# Altium PCB Board.PcbDoc (part 3 of 3)
Units mil, origin at the board's own origin, x right, y up, seen from the top; angles counter-clockwise.
Board outline 8590 x 4645 mil, 4 copper layers (Top Layer, Layer 1, Layer 2, Bottom Layer), stack 23.756 mil thick; 245 components, 130 nets, 802 pads, 765 vias.
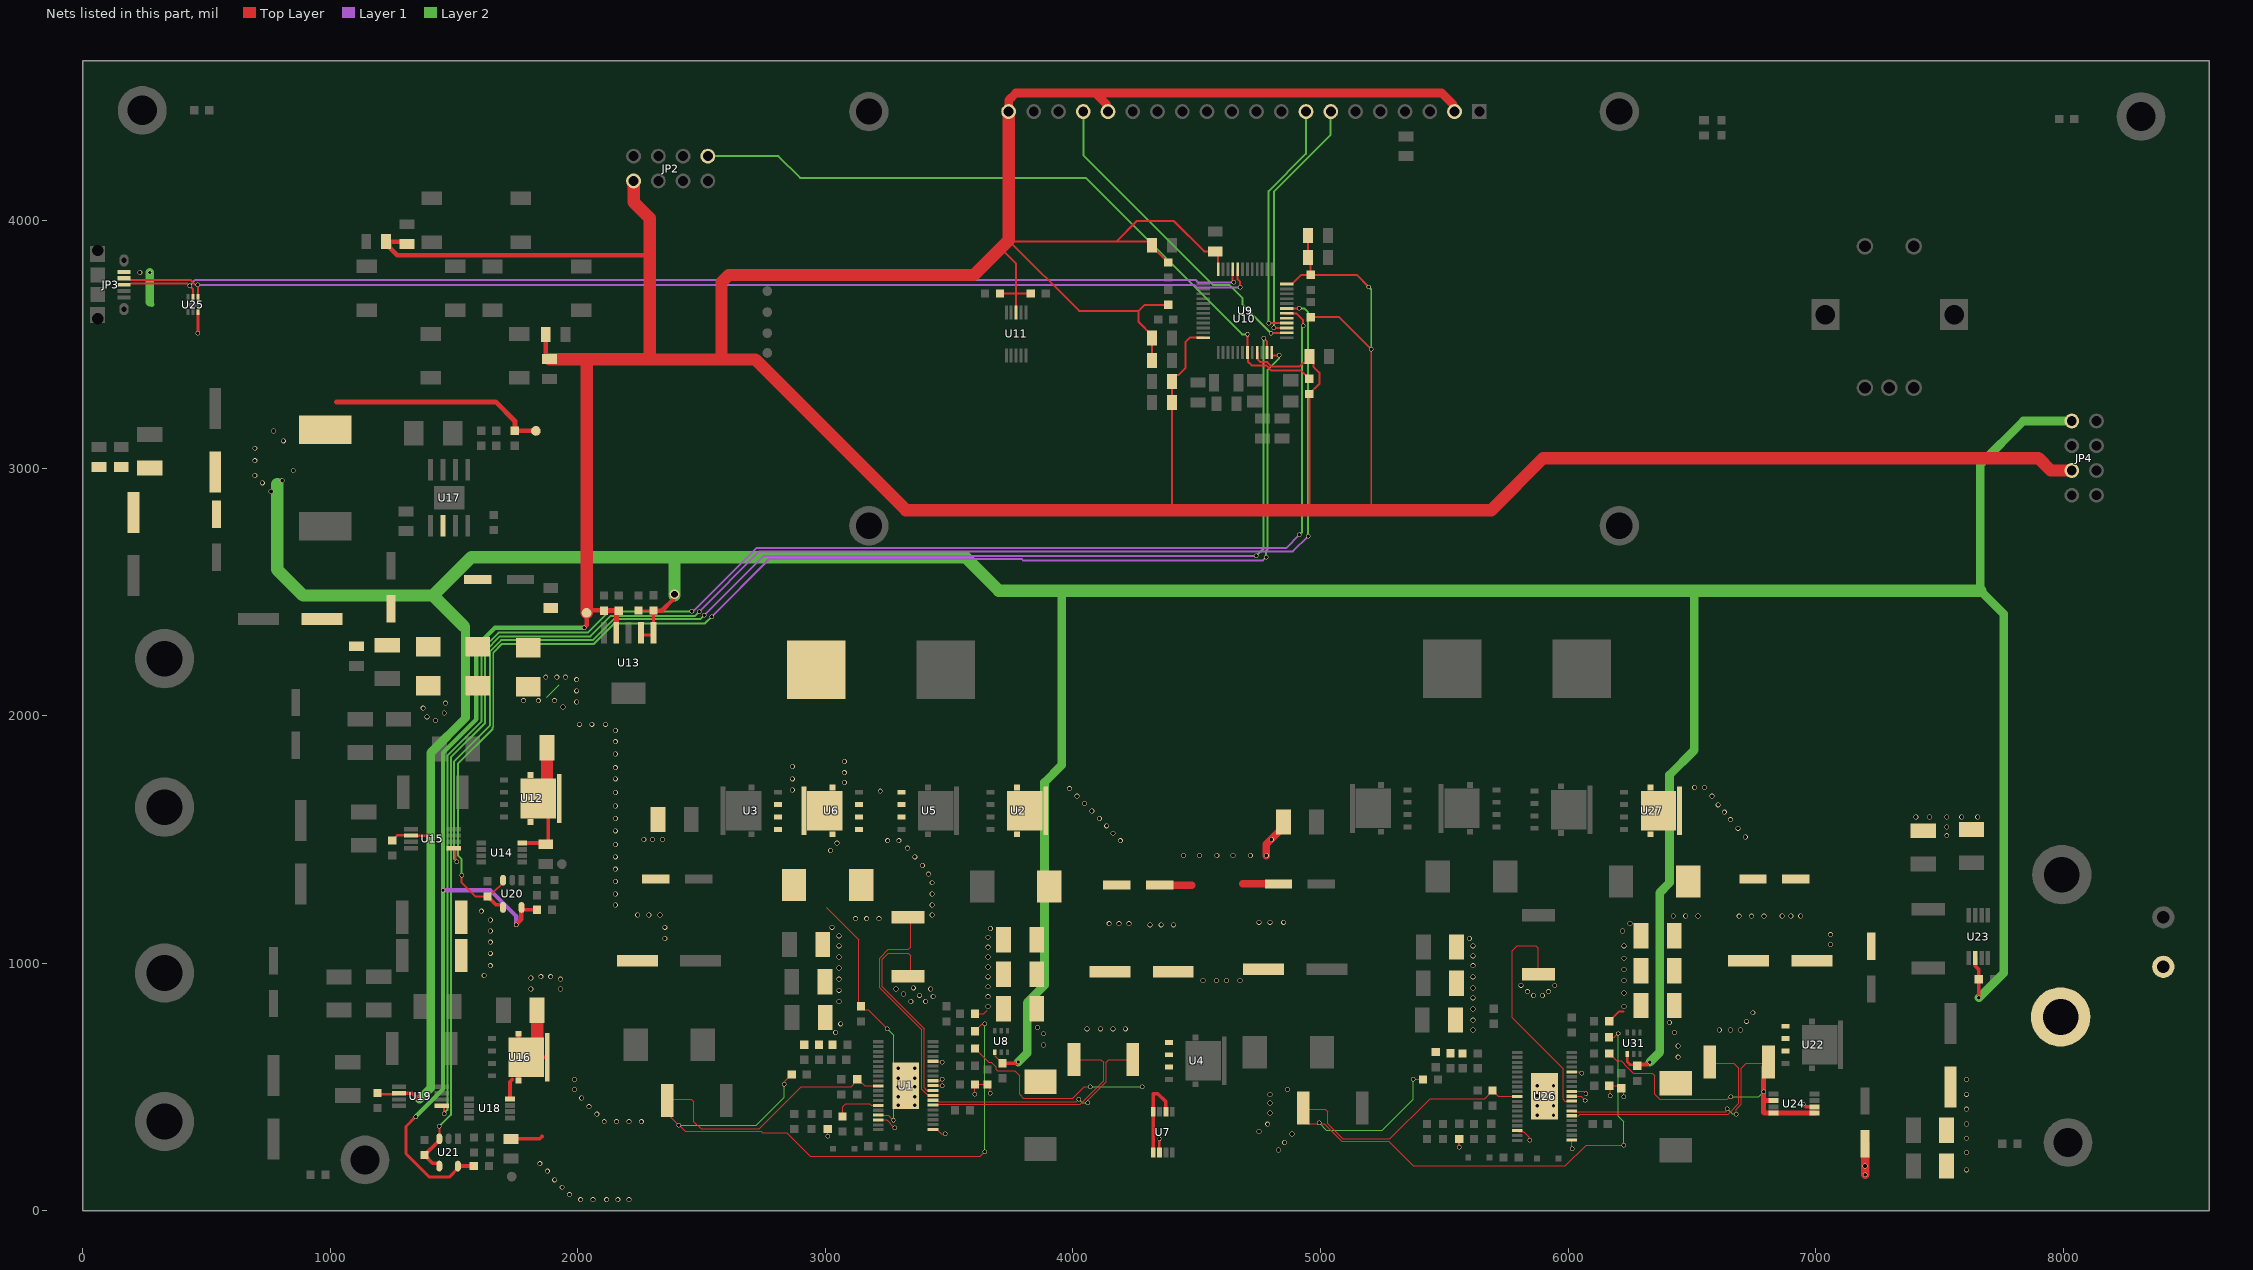
[diagram p5: the nets of this part, all layers, seen from the top]

## Via types
v1: diameter 20, hole 15, Top Layer to Bottom Layer, 502 vias
v2: diameter 18, hole 14, Top Layer to Bottom Layer, 262 vias
v3: diameter 40, hole 28, Top Layer to Bottom Layer, 1 vias

## Nets (pads, with @x,y where several pads share a name; then routed paths per layer and width w, separated by ;. In a path a pad name is that pad's centre, name@x,y a point inside that pad or via, vN(x,y) a via of type N, cw(c..) or ccw(c..) an arc to the next point about the centre after c; other vN are vias at no path point) (continued)
PGND: C1.1 C2.2 C3.2 C4.2 C5.2 C6.2 C7.2 C11.1 C12.2 C13.2 C14.2 C15.2 C16.2 C17.2 C19.2 C72.2 C73.2 C74.1 C75.2 C76.2 C77.2 C78.2 C80.2 C81.2 C82.2 C83.2 C84.2 C85.1 C86.2 C90.1 C91.2 C92.2 C93.2 C94.2 C95.2 C96.2 C98.2 JP13.1 JP14.1 R2.1 R4.1 R9.1 R14.1 R41.2 R42.2 R57.1 R58.1 R60.1 R67.1 U1.17 U1.20 U1.28 U1.29 U1.30 U1.34 U7.6 U24.6 U26.17 U26.20 U26.28 U26.29 U26.30 U26.34 | length 3555.1
  Top Layer w5: v2(3008.86,300.99) C7.2@3008.86,329.49 ; U1.17@3213.62,366.39 3247.47,366.39 3278.86,335 v2(3280,335) ; U1.30@3323.86,505 3323.86,460 3353.86,430 U1.30@3360,430 ; R9.1@3333.86,946.81 3343.86,956.81 3343.86,1030 3333.86,1040 3253.86,1040 3228.86,1015 3228.86,905 3398.86,735 3398.86,495.83 3407.87,486.82 3432.59,486.82 U1.28@3434.09,485.32 ; U1.20@3434.09,327.83 3449.45,327.83 3467.28,310 v2(3483.86,310) ; U1.29@3434.09,505 3434.46,504.64 3472,504.64 v2(3472.36,504.28) ; U1.30@3434.09,524.69 3463.53,524.69 3468.84,530 v2(3472.36,530) ; U1.34@3434.09,603.43 3435.81,601.71 3470.65,601.71 v2(3472.36,600) ; v2(3603.86,470) 3603.86,509.49 R14.1@3604.37,510 3658.35,510 C19.2@3658.86,509.49 ; R4.1@3604.37,795 3638.86,795 3653.86,810 ; C19.2@3655,509.49 C19.2@3656.5,507.99 ; C19.2@3656.5,505 C19.2@3656.5,507.99 ; v2(3665,475) 3665,499.49 C19.2@3656.5,507.99 ; U7.6@4348.86,234.65 U7.6@4349.45,235.24 ; U26.17@5795,323.46 5798.8,319.67 5820.33,319.67 5843.33,296.67 5843.33,286.67 v2(5845,285) ; R60.1@5880,955 5880,1060 5870,1070 5795,1070 5775,1050 5775,779.14 5980,574.14 5980,449.14 5986.75,442.39 U26.28@6015.47,442.39 ; U26.20@6015.47,284.91 6015.47,250.43 v2(6016.28,249.62) ; U26.29@6015.47,462.08 6052.92,462.08 v2(6070,445) ; U26.30@6015.47,481.76 6062.45,481.76 v2(6072.45,471.76) ; U26.34@6015.47,560.5 6045.98,560.5 6051.48,555 v2(6055,555) ; v2(6170,465) 6170,501.54 R67.1@6166.54,505 6208.98,505 C98.2@6220,493.98 ; C98.2@6215,494.49 6225,484.49 v2(6225,460)
  Top Layer w8: v2(5560,256.5) C86.2@5560,289.49 ; R58.1@6166.02,765 6206.02,805 6225,805
  Top Layer w10: U7.6@4349.45,235.24 v2(4349.45,289.65)
  Top Layer w15: v2(6950,430) 6960.59,419.41 U24.6@6995.35,419.41
  Top Layer w30: C15.2@4350,1315 4480,1315 ; 4685,1320 C80.2@4830,1320 ; v1(4781.31,1434.53) 4781.31,1480.05 4850,1548.74 C81.2@4850,1570 4848.01,1568.01 C81.2@4846.03,1570
  Top Layer w35: v2(7200,145) C76.2@7200,270
  other v1: 7610,165 7200,180 7610,235 7610,292.5 7610,350 7610,410 7610,470 7610,530 3041.31,719.53 5616.31,729.53 3061.31,754.53 5616.31,769.53 5616.31,814.53 3656.31,824.53 6226.31,824.53 3055,845 3345,845 3405,845 5616.31,859.53 3435,865 3656.31,864.53 3380,870 5861.31,869.53 5896.31,869.53 3315,875 6226.31,879.53 5836.31,884.53 5921.31,884.53 3055,890 3285,895 3425,895 3355,900 5616.31,899.53 3656.31,904.53 5810,910 5946.31,909.53 4525,930 4580,930 4620,930 4675,930 6226.31,929.53 3055,935 3656.31,944.53 5616.31,944.53 1621.31,949.53 6226.31,974.53 3055,980 3656.31,984.53 1646.31,989.53 5616.31,989.53 6226.31,1019.53 3055,1025 3656.31,1024.53 5616.31,1029.53 1646.31,1039.53 3656.31,1064.53 3055,1070 5616.31,1069.53 6226.31,1069.53 7060,1075 1646.31,1084.53 5601.01,1099.24 2351.31,1099.53 3656.31,1104.53 3055,1110 7060,1115 1646.31,1129.53 6220.13,1129.87 3666.31,1139.53 2351.31,1144.53 3026.31,1144.53 4311.31,1154.53 4356.31,1154.53 4406.31,1154.53 6250.13,1159.87 4751.31,1164.53 4796.31,1164.53 4851.31,1164.53 1646.31,1174.53 6865,1190 6900,1190 6940,1190 2241.31,1194.53 2286.31,1194.53 2331.31,1194.53 1610,1210 4446.31,1434.53 4511.31,1434.53 4581.31,1434.53 4646.31,1434.53 4716.31,1434.53 2266.31,1499.53 2301.31,1499.53 2341.31,1499.53 4801.31,1499.53 7530,1515 7530,1550 7405,1590 7460,1590 7530,1590 7590,1590 7655,1590
  other v2: 5876.31,384.53 5941.31,384.53 3295,425 3360,425 5876.31,424.53 5941.31,424.53 3295,460 3360,460 5876.31,464.53 5941.31,464.53 3295,500 3360,500 5876.31,504.53 5941.31,504.53 3295,535 3360,535 3295,575 3360,575
PORT1_ISNS: U9.11 U15.5 | length 5185.4
  Top Layer w8: U15.5@1498.23,1464.41 1500.14,1464.41 1505,1459.55 1505,1417.71 1510,1412.71 v2(1510,1410) ; v2(4770,3525) 4783.6,3511.4 U9.11@4783.6,3466.75
  Layer 1 w8: v2(2510,2405) 2750,2645 v2(4740,2645)
  Layer 2 w8: v2(1510,1410) 1500,1420 1500,1815 1645,1960 1645,2260 1690,2305 2060,2305 2145,2390 2495,2390 v2(2510,2405) ; v2(4740,2645) 4770,2675 v2(4770,3525)
PORT1_VSNS: C69.2 U9.12 U20.3 U20.4 | length 5468.6
  Top Layer w8: v2(1530,1355) 1530,1325 1585.51,1269.49 C69.2@1635,1269.49 1647.73,1282.22 1654.66,1282.22 1697.6,1325.16 U20.3@1697.6,1335 ; U9.12@4803.3,3466.75 4803.3,3456.5 4804.8,3455 4831.84,3455 v2(4832.84,3456)
  Top Layer w15: C69.2@1635,1269.49 1668.23,1236.26 1693.62,1236.26 1697.6,1232.27 U20.4@1697.6,1224.76
  Layer 1 w8: v2(2540,2400) 2772,2632 3793.46,2632 3798.46,2627 4767,2627 v2(4780,2640)
  Layer 2 w8: v2(1530,1355) 1530,1420 1515,1435 1515,1805 1655,1945 1655,1951.62 1658,1954.62 1658,2254.62 1693.38,2290 2065,2290 2147,2372 2512,2372 v2(2540,2400) ; v2(4780,2640) 4780,2666.62 4786.23,2672.84 4786.23,3396.23 4832.84,3442.84 v2(4832.84,3456)
PORT2_ISNS: U9.18 U19.5 | length 6421.1
  Top Layer w8: U19.5@1450,423.23 1459.14,414.09 v2(1459.14,391.1) ; U9.18@4863.25,3625.15 4901.16,3625.15 4930,3596.31 v2(4930,3575)
  Layer 1 w8: v2(2459.77,2421) 2466,2421 2721,2676 4861,2676 v2(4915,2730)
  Layer 2 w8: v2(1459.14,391.1) 1459.14,393.07 1473,406.94 1473,1838 1610,1975 1610,2265 1680,2335 2040,2335 2126,2421 v2(2459.77,2421) ; v2(4915,2730) 4925,2740 4925,3570 v2(4930,3575)
PORT2_VSNS: C71.2 U9.19 U21.3 U21.4 | length 6737
  Top Layer w8: v2(1440,340) 1440.2,339.8 U21.3@1440.2,290.24 ; U9.19@4863.25,3644.85 4914.85,3644.85 v2(4915,3645)
  Top Layer w15: U21.4@1440.2,180 1440.2,187.51 1436.21,191.49 1413,191.49 C71.2@1380,224.49 1434.26,278.74 1436.21,278.74 1440.2,282.73 U21.3@1440.2,290.24
  Layer 1 w8: v2(2490.23,2419.77) 2733.46,2663 4888,2663 v2(4950,2725)
  Layer 2 w8: v2(1440,340) 1487,387 1487,1832 1625,1970 1625,2260 1685,2320 2050,2320 2133,2403 2473.46,2403 v2(2490.23,2419.77) ; v2(4915,3645) 4916,3644 4936,3644 4950,3630 v2(4950,2725)
RESET: JP2.8 R15.1 U9.7 | length 2866.1
  Top Layer w8: v2(4705,3540) 4704.92,3539.92 4704.92,3466.83 U9.7@4704.85,3466.75 4706.35,3465.25 4706.35,3430.42 4722.16,3414.61 4780.32,3414.61 4799.93,3395 4920.51,3395 R15.1@4955,3360.51
  Layer 2 w8: JP2.8@2525,4260 2810,4260 2898,4172 4051,4172 4683,3540 v2(4705,3540)
SNSP: D6.2 R9.2 U1.27 U5.S U6.S | length 923.5
  Top Layer w5: R9.2@3333.86,1185 3343.86,1175 3343.86,1065 3333.86,1055 3253.86,1055 3218.86,1020 3218.86,900 3388.86,730 3388.86,490 3409.43,469.43 3430.3,469.43 U1.27@3434.09,465.63
  other v1: 3121.31,1179.53 3166.31,1179.53 3216.31,1179.53 3431.31,1194.53 3431.31,1234.53 3431.31,1279.53 3431.31,1324.53 3416.31,1359.53 3391.31,1394.53 3361.31,1429.53 3331.31,1464.53 3251.31,1494.53 3296.31,1494.53 3221.31,1694.53
SPI1_MISO: U9.16 U10.8 | length 991.4
  Top Layer w8: v2(4790,3585) 4790.77,3585.77 U9.16@4863.25,3585.77
  Layer 2 w8: v2(4790,3585) 4790,4118.38 4940.81,4269.19 4940.81,4439.23 U10.8@4941.57,4440
SPI1_MOSI: U9.17
SPI1_NSS: U9.14 U10.17 | length 1311.3
  Top Layer w8: v2(4800,3545) 4800.7,3545.7 4862.55,3545.7 U9.14@4863.25,3546.4
  Layer 2 w8: U10.17@4041.57,4440 4041.57,4263.43 4565,3740 4630.46,3740 4685,3685.46 4685,3660 v2(4800,3545)
SPI1_SCK: U9.15 U10.7 | length 1020.8
  Top Layer w8: v2(4811.62,3566.09) U9.15@4863.25,3566.09
  Layer 2 w8: v2(4811.62,3566.09) 4811.62,4116.62 5040,4345 5040,4438.43 U10.7@5041.57,4440
SWI: C9.2 D6.1 L1.1 U1.16 U3.S U6.D | length 1050.9
  Top Layer w5: 3003.86,1225 3118.86,1110 3133.86,1095 3133.86,835.51 3158.09,811.28 3172.58,811.28 v2(3248.86,735) ; U1.16@3213.62,386.07 3252.78,386.07 3273.86,365 v2(3275,365)
  Layer 2 w5: v2(3248.86,735) 3275,708.86 v2(3275,365)
  other v1: 3021.31,1454.53 3046.31,1484.53 2866.31,1699.53 3076.31,1729.53 2866.31,1744.53 3076.31,1769.53 2866.31,1794.53 3076.31,1814.53
TG1: R18.1 U1.14 | length 190.1
  Top Layer w5: R18.1@3068.86,380.51 3070.67,382.33 3070.67,419.33 3082.85,431.5 3178.7,431.5 3184.76,425.44 U1.14@3213.62,425.44
USB_DM: JP3.2 U9.32 U25.1 | length 4651.1
  Top Layer w8: JP3.2@166.3,3766.22 184.02,3766.22 188.87,3761.36 192.2,3761.36 193.56,3760 435,3760 455,3740 v2(465,3740) 464.84,3739.84 464.84,3690.08 U25.1@464.69,3689.92 ; U9.32@4665.47,3803.25 4665.47,3762.12 4675,3752.59 v2(4675,3730)
  Layer 1 w8: v2(465,3740) 4490,3740 4500,3730 v2(4675,3730)
USB_DP: JP3.3 U9.33 U25.2 | length 4609.1
  Top Layer w8: JP3.3@166.3,3740.63 170.17,3744.5 193.06,3744.5 193.56,3745 422.59,3745 430.31,3737.27 430.31,3736.52 445,3721.84 U25.2@445,3689.92 ; U9.33@4645.77,3803.25 4645.39,3802.86 4645.39,3754.61 v2(4650,3750)
  Layer 1 w8: v2(432.27,3737.27) 455,3760 4495,3760 4505,3750 v2(4650,3750)
USB_VCC: D10.2 JP3.1 U25.6 | length 219.4
  Top Layer w12: U25.6@464.69,3630.08 464.78,3629.98 464.78,3545.22 v2(465,3545)
  Layer 2 w20: 270,3670 280,3660
  Layer 2 w35: 270,3670 v2(270,3790)
  other v1: 1425,1980 1390,1995 1460,2010 1375,2030 1465,2050 230,3790
VCC_3V3: C24.1 C25.1 C26.1 C27.1 C28.1 C29.1 C30.2 C31.2 C41.1 C42.1 C66.2 C67.2 JP2.1 JP4.5 R15.2 R17.2 R21.2 R22.2 R23.2 R26.2 R40.2 R43.2 R46.2 R47.2 R48.2 R49.2 TP5.1 U9.9 U9.24 U9.36 U9.48 U10.2 U10.16 U10.20 U11.8 U13.4 U20.5 U21.5 | length 23708
  Top Layer w8: R23.2@1225,3915 R23.2@1240,3900 ; R17.2@1300,3915 R17.2@1310,3905 ; U21.5@1515,170.16 U21.5@1515,180 ; R22.2@1870,3455 R22.2@1885,3440 ; 2285.31,3860 2290,3864.69 ; 3705,3890 3707.5,3887.5 3770,3825 3770,3705 ; C29.1@3705.51,3705 3770,3705 ; 3740,3920 3745,3915 ; U10.20@3740,4440 U10.20@3740,4460.31 ; U11.8@3770,3628.23 3770,3705 ; C28.1@3842.22,3717.73 C28.1@3829.49,3705 3770,3705 ; R40.2@4320,3435 R43.2@4320,3525 4320,3535 4265,3590 4265,3635 ; R49.2@4385,3659.49 4289.49,3659.49 4265,3635 ; R48.2@4385.51,3840 4382.27,3843.24 4371.76,3843.24 4341,3874 4336,3874 4320,3890 4320,3899 4304,3915 4175,3915 ; 4400,2830 C30.2@4400,3265 C26.1@4400,3350 4400,3359.49 4416,3375.49 4425.49,3375.49 4455,3405 4455,3510 4471.7,3526.7 U9.48@4526.75,3526.7 ; U9.36@4586.7,3803.25 4586.7,3863.3 C27.1@4575,3875 4530,3875 4407,3998 4258,3998 4175,3915 ; U9.9@4744.23,3466.75 4745.73,3465.25 4745.73,3439.82 4746.23,3439.31 4746.23,3438.87 4757.49,3427.61 4785.71,3427.61 4803.32,3410 4915,3410 4929.51,3424.51 4939,3424.51 4955,3440.51 C25.1@4955,3450 4971,3434 4971,3409 4995,3385 4995,3339.49 R15.2@4955,3299.49 4955,2830 ; U9.24@4863.25,3743.3 4884.5,3743.3 4921.72,3780.51 R47.2@4960,3780.51 ; C24.1@4950,3940 C31.2@4950,3850 4960,3840 R47.2@4960,3780.51 ; R46.2@4960,3609.49 5075.51,3609.49 v2(5205,3480) 5205,2835 5210,2830 ; v2(5194.79,3731.43) 5145.7,3780.51 R47.2@4960,3780.51 ; 5240,2830 5244.49,2834.49 ; 3745,3915 4175,3915 ; 3745,3915 4025,3635 4265,3635
  Top Layer w12: v2(1345,380) 1305,340 1305,230 1400,135 1479.84,135 U21.5@1515,170.16
  Top Layer w15: U21.5@1515,180 C66.2@1579.49,180 ; U20.5@1772.4,1219.15 1772.4,1218.98 1776.38,1215 C67.2@1834.49,1215
  Top Layer w18: R23.2@1225,3915 R17.2@1300,3915 ; R23.2@1240,3900 1240,3890 1270,3860 2285.31,3860 ; v2(1750,1155) 1771.33,1176.33 1771.33,1218.07 U20.5@1772.4,1219.15 ; R22.2@1870,3455 R21.2@1870,3540 ; R22.2@1885,3440 1886.69,3438.31 2035,3438.31 ; v2(2025,2355) 2035,2365 TP5.1@2035,2415 2040.78,2415 2050.78,2425 2097.27,2425 2098.29,2423.98 C42.1@2105,2423.98 ; 2279.46,3438.31 2281.14,3440 2290,3448.86
  Top Layer w20: C42.1@2105,2423.98 2155,2423.98 C41.1@2165,2423.98 2155,2413.98 U13.4@2155,2335
  Top Layer w35: U10.20@3740,4440 3740.84,4440.84 3740.84,4460.31 3740.84,4485.84 3770,4515 4090,4515 ; U10.16@4141.57,4440 4136.79,4444.78 4136.79,4468.21 4090,4515 ; U10.2@5541.57,4440 5536.79,4444.78 5536.79,4468.21 5490,4515 4090,4515
  Top Layer w50: R22.2@1885,3440 2035,3440 2281.14,3440 ; TP5.1@2035,2415 2035,3438.31 ; JP2.1@2225,4160 2225,4075 2290,4010 2290,3864.69 2290,3448.86 ; 2279.46,3438.31 2580,3438.31 ; U10.20@3740,4440 3740,3920 3707.5,3887.5 3600,3780 2609.29,3780 2580,3750.71 2580,3438.31 ; JP4.5@8035,2990 7950,2990 7900,3040 5900,3040 5690,2830 5240,2830 5210,2830 4955,2830 4400,2830 3325,2830 2716.69,3438.31 2580,3438.31
  Layer 1 w18: v2(1455,1295) 1645,1295 1750,1190 v2(1750,1155)
  Layer 2 w8: v2(5194.79,3731.43) 5205,3721.22 v2(5205,3480)
  Layer 2 w18: v2(1345,380) 1455,490 v2(1455,1295) 1455,1850 1590,1985 1590,2280 1665,2355 v2(2025,2355)
VCC_5V0: C18.1 C39.1 C40.1 C43.1 C58.2 C59.2 C60.1 C61.1 C62.1 C63.1 C64.1 C79.1 C97.1 JP4.1 L2.2 R32.2 TP6.1 U8.1 U13.1 U13.2 U15.2 U19.2 U23.2 U31.1 | length 18286.5
  Top Layer w5: U8.1@3684.41,640 3686.38,638.03 3686.38,623.62 3700.26,609.74 3700.77,609.74 C18.1@3708.86,601.65
  Top Layer w8: C40.1@2245,2424.13 2245.87,2425 2304.49,2425 C39.1@2305,2424.49
  Top Layer w10: C64.1@1199.92,470.59 U19.2@1260,470.59 ; C43.1@1250,1495.51 1270.08,1515.59 U15.2@1325,1515.59 1325.3,1515.3 1404.7,1515.3 v2(1405,1515) ; U31.1@6239.41,633.39 6239.41,600.59 6250,590 6285,590 C97.1@6285.04,590.04
  Top Layer w12: U13.2@2255,2325 2305,2325 U13.1@2305,2335 C39.1@2305,2414.49
  Top Layer w15: C64.1@1190,480.51 C64.1@1199.92,470.59 ; U19.2@1276.77,474.41 1330.59,474.41 1350,455 1354.19,455 1359.19,450 v2(1360,450) ; C18.1@3715,595.51 3773.2,595.51 3778.11,600.42 v2(3778.92,600.42) ; C97.1@6285.04,590.04 6319.23,590.04 6329.19,600 v2(6330,600) ; U23.2@7645,1020 7646.36,1018.64 7646.36,987.36 7659.49,974.23 C79.1@7659.49,935 7659.74,934.74 7659.74,860.26 v2(7660,860)
  Top Layer w18: R32.2@1745,3150.51 1745.26,3150.26 1829.74,3150.26 TP6.1@1830,3150 ; C39.1@2305,2424.49 2306.3,2423.19 2338.19,2423.19 2385.79,2470.79 2385.79,2485.79 v3(2390,2490)
  Top Layer w20: 1024.1,3267.5 1667.5,3267.5 1745,3190 R32.2@1745,3150.51
  Layer 2 w35: v2(1360,450) 1405,495 v2(1405,1515) 1405,1850 1545.62,1990.62 1545.62,2359.38 1545,2360 ; v2(3778.92,600.42) 3815,636.5 3815,840 3885,910 3885,1730 3955,1800 3955,2505 ; v2(6330,600) 6370,640 6370,1284.14 6410,1324.14 6410,1760 6510,1860 6510,2505 ; v2(7660,860) 7760,960 7760,2410 7665,2505 7665,3015 7840,3190 JP4.1@8035,3190
  Layer 2 w50: 785,2935 785,2905 785,2590 890,2485 1415,2485 ; 1540,2360 1415,2485 ; v3@2390,2485 v3(2390,2490) 2390,2640 ; 7665,2505 6510,2505 3955,2505 3700,2505 3565,2640 2390,2640 ; 1415,2485 1570,2640 2390,2640
  other v1: 760,2905 725,2940 805,2950 695,2970 850,2990 695,3030 695,3080 810,3110 770,3150
VCC_PORT1: C8.2 C38.1 D7.2 R1.2 R3.2 R5.2 R35.1 U1.10 U12.D U14.8 | length 4283.3
  Top Layer w5: U12.D@1808.46,1570.51 1812.43,1574.48 1812.43,1637.43 U12.D@1840,1665 ; U12.D@1880,1625 U12.D@1840,1665 ; U12.D@1899.25,1724.25 1875,1700 U12.D@1840,1665 ; v2(2833.86,510) 2833.86,520.51 R1.2@2863.35,550 ; U1.10@3213.62,504.18 3159.67,504.18 3147.58,516.28 3143.09,516.28 C8.2@3128.86,530.51 3128.86,525 3123.35,525 3114.63,516.28 3114.63,510.77 3103.86,500 2903,500 2733,330 2498.86,330 2468.86,360 2468.86,440 2458.86,450 2365.67,450 R5.2@2360.67,445 2360.67,391.26 v2(2406.93,345) 2408.86,345 2433.86,320 2740,320 2745,315 2844.28,315 2939.28,220 3625.29,220 v2(3642.89,237.6) ; R3.2@3604.37,725 3631.88,752.51 3641.37,752.51 v2(3643.86,755)
  Top Layer w15: U14.8@1775,1485 1875,1485 1880,1480 U12.D@1880,1625
  Top Layer w50: U12.D@1875,1700 1875,1724.25 C38.1@1875,1870
  Layer 2 w5: v2(2406.93,345) 2720,345 2833.86,458.86 v2(2833.86,510) ; v2(3642.89,237.6) 3643.86,238.57 v2(3643.86,755)
  other v1: 2106.31,359.53 2156.31,359.53 2206.31,359.53 2256.31,359.53 2076.31,389.53 2045,420 2015,455 1986.31,489.53 1986.31,529.53 2151.31,1234.53 2151.31,1279.53 2151.31,1329.53 2151.31,1379.53 2151.31,1429.53 2151.31,1479.53 2151.31,1534.53 2151.31,1584.53 2151.31,1634.53 2151.31,1689.53 2151.31,1744.53 2151.31,1789.53 2151.31,1844.53 2151.31,1894.53 2151.31,1939.53 2006.31,1964.53 2056.31,1964.53 2111.31,1964.53
VCC_PORT2: C47.1 C87.2 D11.2 R36.1 R50.2 R53.2 R54.2 U16.D U18.8 U26.10 | length 4436.5
  Top Layer w5: R50.2@4930,415 R50.2@4930,410 ; v2(4994.17,354.17) v2@4994.17,350.57 ; v2(5375,530) R53.2@5413.98,530 ; U26.10@5795,461.26 5718.74,461.26 C87.2@5695,485 5662.88,452.88 5442.88,452.88 5280,290 5090,290 5030,350 5030,400 5020,410 R50.2@4930,410 ; R54.2@6165.51,700 6187.63,700 v2(6203.27,715.64) ; v2(6225,265) 6073.79,265 5989.55,180.77 5375.45,180.77 5276.21,280 5085.86,280 5015.29,350.57 v2@4994.17,350.57 ; R50.2@4930,410 4930,373.66 4953.09,350.57 v2@4994.17,350.57
  Top Layer w15: U18.8@1725.77,451.01 1725.77,520.77 1735,530 ; R36.1@1730,290 1846.21,290 1855,298.79 1855,300 ; U16.D@1760,525.51 1760,588.46 U16.D@1791.54,620 ; U16.D@1760,714.49 1760,651.54 U16.D@1791.54,620 ; U16.D@1830,658.46 U16.D@1791.54,620 ; U16.D@1845,566.54 U16.D@1791.54,620 ; U16.D@1876.14,620 U16.D@1791.54,620
  Top Layer w50: U16.D@1835,658.46 C47.1@1835,825
  Layer 2 w5: 1875,2075 1925,2125 ; v2(4994.17,354.17) 5023.33,325 5250,325 5375,450 v2(5375,530) ; v2(6203.27,715.64) 6203.27,381.73 6225,360 v2(6225,265)
  other v1: 2011.31,44.53 2061.31,44.53 2116.31,44.53 2161.31,44.53 2206.31,44.53 1966.31,64.53 1936.31,94.53 1906.31,124.53 1876.31,159.53 1846.31,189.53 4830,245 4855,275 4885,310 4751.31,319.53 4786.31,349.53 4796.31,394.53 4796.31,434.53 4796.31,469.53 4866.31,489.53 1810,895 1930,895 1930,935 1810,940 1850,945 1890,945 1940,2035 1995,2055 1780,2060 1840,2060 1905,2060 1995,2100 1995,2145 1870,2155 1915,2155 1950,2155
VCC_VIN: C44.2 C45.1 C46.1 C49.1 C50.1 C51.1 D7.1 D10.1 D11.1 U17.2
VCC_VOUT1: R6.1 R10.2 U1.26 U4.S U7.2 U7.4 U7.5 | length 2181.2
  Top Layer w5: U1.26@3434.09,445.94 3449.45,445.94 3455.33,440.06 4013.92,440.06 v2(4023.86,450) ; R10.2@3620.76,669.23 3618.6,669.23 R10.2@3604.37,655 3659.37,600 3670,600 3690,580 3690,570 3695,565 3765,565 3785,545 3785,470 3800,455 4000,455 4045.31,500.31 v2(4069.69,500.31) ; v2(4060.53,436.67) 4060.53,446.67 4133.86,520 4133.86,599.31 4144.55,610 R6.1@4242.05,610 ; R6.1@4222.05,630 R6.1@4242.05,610 ; R6.1@4253.86,598.19 R6.1@4242.05,610 ; U7.4@4324.41,398.86 4323.27,400 U7.4@4324.45,401.18
  Top Layer w15: U7.5@4324.41,234.65 U7.4@4324.41,398.86 ; U7.4@4324.45,401.18 4324.45,472.5 4342.5,472.5 4374.45,440.55 U7.2@4374.45,400
  Layer 2 w5: v2(4023.86,450) 4037.19,436.67 v2(4060.53,436.67) ; v2(4069.69,500.31) 4070,500 v2(4280,500)
VCC_VOUT2: R51.1 R61.2 U22.S U24.2 U24.4 U24.5 U26.26 | length 2196.7
  Top Layer w5: U26.26@6015.47,403.02 6018.49,400 6640,400 6640,401.48 6641.6,403.08 6641.6,408.43 v2(6644.08,410.92) ; R61.2@6166.02,635 6196.02,605 6214.07,605 6239.84,579.23 6244.23,574.84 6264.07,555 6340,555 6350,545 6350,470 6370,450 6644,450 6653.86,459.86 v2(6657.38,459.86) ; v2(6680,390) 6680,409.36 6700,429.36 6700,575 6720,595 R51.1@6795,595 ; R51.1@6790,580 R51.1@6810,600
  Top Layer w20: R51.1@6790,580 v2(6790,480) 6790,450 ; U24.2@6830,445 6795,445 6790,450 ; U24.5@6995.35,393.82 U24.4@6830,393.82 6792.93,393.82 6790,396.75 6790,450
  Layer 2 w5: v2(6644.08,410.92) 6663.5,391.5 6678.5,391.5 v2(6680,390) ; v2(6657.38,459.86) 6769.86,459.86 v2(6790,480)
Vo1: C11.2 C12.1 C13.1 C14.1 C15.1 D4.2 D5.1 R6.2 U1.25 U2.D | length 1025.8
  Top Layer w5: U1.25@3434.09,426.26 3437.83,430 4028.86,430 4123.86,525 4123.86,599.31 4113.16,610 R6.2@4003.86,610 ; R6.2@3988.03,625.83 R6.2@4003.86,610 ; R6.2@4026.95,674.43 4003.86,651.34 R6.2@4003.86,610
  other v1: 3881.31,669.53 3881.31,714.53 4056.31,734.53 4111.31,734.53 4161.31,734.53 4211.31,734.53 3856.31,739.53 4146.31,1159.53 4186.31,1159.53 4226.31,1159.53 4191.31,1494.53 4161.31,1524.53 4136.31,1554.53 4106.31,1584.53 4076.31,1614.53 4046.31,1644.53 4016.31,1674.53 3986.31,1704.53
Vo2: C90.2 C91.1 C92.1 C93.1 C94.1 D13.2 D16.1 R51.2 U26.25 U27.D | length 965.4
  Top Layer w5: U26.25@6015.47,383.34 6043.34,383.34 6050,390 6646.5,390 6690,433.5 6690,575 6670,595 6576.81,595 R51.2@6571.81,600
  other v1: 6445,620 6445,665 6430,720 6611.31,729.53 6656.31,729.53 6696.31,729.53 6409,760 6721.31,764.53 6746.31,799.53 6425,1190 6475,1190 6525,1190 6691.31,1189.53 6741.31,1189.53 6791.31,1189.53 6716.31,1509.53 6686.31,1544.53 6656.31,1579.53 6631.31,1609.53 6606.31,1639.53 6581.31,1674.53 6511.31,1709.53 6551.31,1709.53
pads on no net: JP3.4 JP3.6 JP4.8 S5. U1.8 U1.23 U1.31 U1.33 U7.3 U7.7 U8.5 U9.1 U9.2 U9.10 U10. U10.MH1 U10.MH2 U10.MH3 U10.MH4 U13.5 U14.3 U14.7 U15.3 U15.6 U15.7 U17.3 U18.3 U18.7 U19.3 U19.6 U19.7 U23.3 U23.6 U23.7 U24.3 U24.7 U25.3 U25.4 U25.5 U26.8 U26.23 U26.31 U26.33 U31.5 Y2.2 Y2.4

## Polygon pours and split planes (outlines as drawn)
GND on Bottom Layer "GND_L04_P005" (solid, pour order 5): 1880,30 1880,85 1780,185 1780,805 1685,900 1480,900 1440,940 1440,1235 1480,1275 1600,1275 1665,1210 1940,1210 2015,1285 2015,1845 2115,1945 2325,1945 2825,2445 8565,2445 8565,4605 25,4605 25,75 70,30
PGND on Bottom Layer "PGND_L04_P004" (solid, pour order 4): 1980,20 1805,195 1805,810 1695,920 1490,920 1460,950 1460,1220 1495,1255 1595,1255 1655,1195 1940,1195 2030,1285 2030,1835 2120,1925 2345,1925 2835,2415 8565,2415 8565,155 8430,20

## Other copper
Top Layer:
  region net NetC72_1: 7351.32,1224.67 7381.31,1194.67 7391.32,1194.67 7526.32,1194.67 7591.32,1259.67 7730.33,1259.67 7885.33,1104.67 8486.32,1104.67 8521.32,1139.67 8521.32,1274.67 8416.32,1379.67 8271.32,1379.67 8111.32,1539.67 7921.32,1539.67 7826.32,1444.67 7386.32,1444.67 7351.32,1409.67
  region net NetC74_2: 6930,770 7140,980 7350,980 7375,1005 7535,1005 7565,975 7565,870 7640,795 7640,650 7610,620 7430,620 7295,485 7295,380 7265,350 7090,350 7045,395 7045,510 6995,560 6965,560 6930,595
  region net USB_VCC: 185,3800 195,3800 205,3810 285,3810 290,3805 290,3780 285,3775 205,3775 195,3785 185,3785
  region net GND: 2135,2135 2135,2005 2275,2005 2275,2135
  region net PGND: 7480,115 7480,555 7510,585 7605,585 7630,560 7630,125 7600,95 7500,95
  region net PGND: 7685,1505 7700,1520 7700,1585 7680,1605 7385,1605 7365,1585 7365,1525 7385,1505
  region net PGND: 7083.12,973.75 7118.12,1008.75 7258.12,1008.75 7273.12,1023.75 7273.12,1113.75 7256.88,1130 7003.12,1130 7003.12,1143.75 6978.12,1168.75 6978.12,1363.75 6953.12,1388.75 6863.12,1388.75 6843.12,1368.75 6843.12,1018.75 6888.12,973.75
  region net NetC74_2: 7285,435 7410,435 7450,395 7450,115 7420,85 7340,85 7265,160 7265,380
  region net USB_VCC: 1320,2170 1345,2195 1460,2195 1495,2160 1495,2010 1445,1960 1395,1960 1360,1995 1360,2035 1320,2075 1320,2105
  region net GND: 1200,2545 1280,2545 1315,2580 1315,2675 1305,2685 1185,2685 1165,2665 1165,2580
  region net GND: 15,3065 330,3065 420,3155 700,3155 750,3205 750,3320 730,3340 370,3340 325,3295 325,3195 305,3175 20,3175 5,3160 5,3075
  region net GND: 1770,1820 1670,1820 1655,1835 1655,1910 1670,1925 1770,1925
  region net GND: 1015,1980 1055,1945 1330,1945 1345,1960 1345,2030 1305,2070 1305,2170 1280,2195 1175,2195 1140,2230 930,2230 830,2330 830,2560 685,2705 200,2705 120,2625 120,2475 155,2440 590,2440 615,2415 615,2330 830,2115 830,2000 850,1980 990,1980
  region net PGND: 2155,1135 2245,1225 2245,1615 2290,1660 2365,1660 2380,1645 2380,1015 2325,960 2170,960 2155,975
  region net PGND: 4325,915 4855,915 4915,975 4915,1365 4825,1455 4340,1455 4275,1390 4275,965
  region net NetC37_1: 1510,1610 1510,1930 1640,1930 1640,1825 1690,1775 1730,1775 1745,1760 1745,1620 1735,1610 1630,1610
  region net VCC_VOUT2: 6785,740 6815,770 6905,770 6905,765 6920,750 6920,625 6915,620 6860,620 6850,610 6850,545 6835,530 6790,530 6785,535
  region net PGND: 1460,1220 1460,950 1490,920 1640,920 1665,945 1665,1185 1595,1255 1495,1255
  region net GND: 205,1815 395,1815 775,1435 1005,1435 1080,1360 1280,1360 1370,1270 1370,950 1310,890 1000,890 940,950 610,950 415,755 215,755 125,845 125,1735
  region net NetC32_2: 480,2425 740,2165 740,1975 770,1945 1000,1945 1035,1910 1325,1910 1325,1625 1255,1625 1195,1565 960,1565 930,1535 930,1490 915,1475 805,1475 320,1960 170,1960 110,2020 110,2380 155,2425
  region net Vo2: 6405,710 6420,695 6420,558.86 6463.86,515 6593.86,515 6598.86,520 6598.86,710
  region net Vo2: 6288.86,1725 6288.86,1500 6363.86,1425 6363.86,750 6403.86,710 6710,710 6810,835 6810,1478.86 6563.86,1725
  region net NetC89_2: 5928.86,1510 5933.86,1510 6128.86,1315 6128.86,1220 6153.86,1195 6273.86,1195 6298.86,1220 6298.86,1460 6243.86,1515 6185,1515 6170,1530 6170,1550 6185,1565 6258.86,1565 6273.86,1580 6273.86,1705 6178.86,1800 6178.86,2305 5933.86,2305 5933.86,1810 5928.86,1805
  region net NetD17_2: 5680.9,1659.78 5680.9,1499.78 5620.9,1439.78 5620.9,1224.78 5680.9,1164.78 5990.9,1164.78 6020.9,1194.78 6020.9,1389.78 5890.9,1519.78 5820.9,1519.78 5810.9,1529.78 5810.9,1554.78 5820.9,1564.78 5895.9,1564.78 5905.9,1574.78 5905.9,1714.78 5895.9,1724.78 5780.9,1724.78 5765.9,1709.78 5765.9,1689.78 5750.9,1674.78 5695.9,1674.78
  region net NetC88_2: 5323.94,1673.18 5323.94,1253.18 5363.94,1213.18 5563.94,1213.18 5583.94,1233.18 5583.94,1443.18 5653.94,1513.18 5653.94,2308.18 5408.94,2308.18 5408.94,1688.18 5393.94,1673.18
  region net NetC80_1: 5288.86,1734.28 4983.86,1734.28 4933.86,1684.28 4933.86,1389.28 4933.86,514.28 5113.86,514.28 5113.86,344.28 5123.86,334.28 5238.86,334.28 5353.86,449.28 5353.86,614.28 5428.86,689.28 5458.86,689.28 5468.86,699.28 5468.86,1139.28 5438.86,1169.28 5338.86,1169.28 5288.86,1219.28
  region net Vo1: 3845.82,716.83 3865.82,696.83 3865.82,551.83 3895.82,521.83 4025.82,521.83 4030.82,526.83 4030.82,716.83
  region net Vo1: 3718.86,1730 3718.86,1505 3793.86,1430 3793.86,755 3803.86,755 3843.86,715 4250,715 4250,1473.86 3993.86,1730
  region net NetC10_2: 3358.86,1515 3363.86,1515 3558.86,1320 3558.86,1225 3583.86,1200 3703.86,1200 3728.86,1225 3728.86,1465 3673.86,1520 3623.86,1520 3608.85,1535.01 3608.85,1554.99 3618.86,1565 3683.86,1565 3703.86,1585 3703.86,1710 3608.86,1805 3608.86,2310 3363.86,2310 3363.86,1815 3358.86,1810
  region net SNSP: 3113.26,1654.84 3113.26,1494.84 3053.26,1434.84 3053.26,1219.84 3113.26,1159.84 3423.26,1159.84 3453.26,1189.84 3453.26,1384.84 3323.26,1514.84 3253.26,1514.84 3243.26,1524.84 3243.26,1549.84 3253.26,1559.84 3328.26,1559.84 3338.26,1569.84 3338.26,1709.84 3328.26,1719.84 3213.26,1719.84 3198.26,1704.84 3198.26,1684.84 3183.26,1669.84 3128.26,1669.84
  region net SWI: 2765.21,1661.22 2765.21,1241.22 2805.21,1201.22 3005.21,1201.22 3025.21,1221.22 3025.21,1431.22 3095.21,1501.22 3095.21,2296.22 2850.2,2296.22 2850.21,1676.22 2835.21,1661.22
  region net NetC1_2: 2749.84,1753.28 2444.84,1753.28 2405.98,1714.42 2405.98,533.28 2574.84,533.28 2574.84,363.28 2584.84,353.28 2699.84,353.28 2814.84,468.28 2814.84,633.27 2889.84,708.27 2919.84,708.28 2929.84,718.28 2929.84,1158.28 2899.84,1188.28 2799.84,1188.28 2749.84,1238.28
  region net VCC_PORT1: 1770,1745 1805,1780 1805,1925 1865,1985 2155,1985 2185,1955 2185,1200 2135,1150 2135,605 2215,525 2385,525 2385,370 2350,335 2090,335 1970,455 1970,1515 1900,1585 1770,1585
  region net VCC_PORT2: 1785,760 1760,735 1700,735 1685,720 1685,530 1715,500 1795,500 1820,475 1820,180 1975,25 4635,25 4955,345 4955,490 4940,505 4810,505 4775,470 4775,365 4580,170 2225,170 1955,440 1955,930 1925,960 1810,960 1785,935
  region net NetC52_2: 120,495 230,605 425,605 735,915 925,915 970,870 1250,870 1275,845 1275,590 1235,550 985,550 880,445 730,445 440,155 230,155 120,265
  region net NetC74_2: 4455,700 4480,725 4625,725 4655,695 4655,280 4580,205 4485,205 4455,235 4455,425
  region net VCC_PORT2: 1735,2065 1735,2155 1750,2170 2000,2170 2020,2150 2020,2050 1980,2010 1940,2010 1905,2045 1755,2045
  region net VCC_PORT1: 1525,2155 1540,2170 1655,2170 1675,2150 1675,2060 1700,2035 1890,2035 1955,1970 1955,1920 1810,1920 1775,1955 1580,1955 1525,2010
  region net PGND: 5793.86,980 5793.86,891.14 5830,855 5930,855 5963.86,888.86 5963.86,960 5963.86,980
  region net PGND: 5495,1142.5 5495,687.5 5475,667.5 5440,667.5 5430,657.5 5430,622.5 5440,612.5 5600,612.5 5610,622.5 5610,697.5 5635,722.5 5635,1087.5 5580,1142.5
  region net PGND: 6205,808 6240,773 6325,773 6340,788 6340,1148 6310,1178 6237.5,1178 6205,1152
  region net VCC_5V0: 1090,3275 1105,3260 1105,3060 1020,2975 855,2975 755,2875 755,2805 675,2725 190,2725 95,2725 30,2790 30,3020 60,3050 635,3050 860,3275
  region net NetC57_2: 840,2700 845,2695 1165,2695 1260,2790 1340,2790 1365,2815 1365,2930 1385,2950 1415,2950 1415,3190 1370,3235 1255,3235 1160,3140 1160,2990 1000,2830 865,2830 840,2805
  region net VCC_VIN: 860,2525 880,2545 1165,2545 1200,2510 1280,2510 1430,2660 1430,2810 1480,2810 1480,2660 1545,2595 1660,2595 1680,2575 1680,2510 1725,2465 1930,2465 1960,2435 1960,2260 1915,2215 1190,2215 1150,2255 940,2255 860,2335
  region net NetC48_1: 1440,885 1440,745 1460,725 1460,580 1480,560 1650,560 1675,585 1675,735 1660,750 1595,750 1570,775 1570,885
  region net PGND: 3263.86,975 3263.86,886.14 3325,825 3425,825 3455,855 3455,955 3435,975
  region net PGND: 2943.86,1170 2943.86,715 2923.86,695 2888.86,695 2878.86,685 2878.86,650 2888.86,640 3048.86,640 3058.86,650 3058.86,725 3083.86,750 3083.86,1115 3028.86,1170
  region net PGND: 3638.86,795 3673.86,760 3758.86,760 3773.86,775 3773.86,1135 3743.86,1165 3671.36,1165 3638.86,1139
  region net VCC_VOUT1: 4355,560 4355,460 4265,460 4265,580
  region net VCC_VOUT1: 4420,690 4410,700 4278.86,700 4253.86,675 4253.86,556.14 4265,545 4410,545 4420,555
  text "Top Layer" at 8685,29.99 h60
Layer 1:
  region net NetC72_1: 7350,1225 7380,1195 7390,1195 7525,1195 7590,1260 7730,1260 7885,1105 8485,1105 8520,1140 8520,1275 8415,1380 8270,1380 8110,1540 7920,1540 7825,1445 7385,1445 7350,1410
  region net NetC74_2: 6930,770 7140,980 7350,980 7375,1005 7535,1005 7565,975 7565,870 7640,795 7640,650 7610,620 7430,620 7295,485 7295,380 7265,350 7090,350 7045,395 7045,510 6995,560 6965,560 6930,595
  region net NetC37_1: 1510,1610 1510,1930 1640,1930 1640,1825 1690,1775 1730,1775 1745,1760 1745,1620 1735,1610 1630,1610
  region net NetC32_2: 480,2425 740,2165 740,1975 770,1945 1000,1945 1035,1910 1325,1910 1325,1625 1255,1625 1195,1565 960,1565 930,1535 930,1490 915,1475 805,1475 320,1960 170,1960 110,2020 110,2380 155,2425
  region net Vo2: 6405,710 6420,695 6420,558.86 6463.86,515 6593.86,515 6598.86,520 6598.86,710
  region net Vo2: 6288.86,1725 6288.86,1500 6363.86,1425 6363.86,750 6403.86,710 6710,710 6810,835 6810,1478.86 6563.86,1725
  region net NetC89_2: 5928.86,1510 5933.86,1510 6128.86,1315 6128.86,1220 6153.86,1195 6273.86,1195 6298.86,1220 6298.86,1460 6243.86,1515 6185,1515 6170,1530 6170,1550 6185,1565 6258.86,1565 6273.86,1580 6273.86,1705 6178.86,1800 6178.86,2305 5933.86,2305 5933.86,1810 5928.86,1805
  region net NetD17_2: 5678.86,1660 5678.86,1500 5618.86,1440 5618.86,1225 5678.86,1165 5988.86,1165 6018.86,1195 6018.86,1390 5888.86,1520 5818.86,1520 5808.86,1530 5808.86,1555 5818.86,1565 5893.86,1565 5903.86,1575 5903.86,1715 5893.86,1725 5778.86,1725 5763.86,1710 5763.86,1690 5748.86,1675 5693.86,1675
  region net NetC88_2: 5323.31,1673.73 5323.31,1253.73 5363.31,1213.73 5563.31,1213.73 5583.31,1233.73 5583.31,1443.73 5653.31,1513.73 5653.31,2308.73 5408.31,2308.73 5408.31,1688.73 5393.31,1673.73
  region net NetC80_1: 5288.86,1735 4983.86,1735 4933.86,1685 4933.86,1390 4933.86,515 5113.86,515 5113.86,345 5123.86,335 5238.86,335 5353.86,450 5353.86,615 5428.86,690 5458.86,690 5468.86,700 5468.86,1140 5438.86,1170 5338.86,1170 5288.86,1220
  region net Vo1: 3843.86,715 3863.86,695 3863.86,550 3893.86,520 4023.86,520 4028.86,525 4028.86,715
  region net Vo1: 3718.86,1730 3718.86,1505 3793.86,1430 3793.86,755 3803.86,755 3843.86,715 4250,715 4250,1473.86 3993.86,1730
  region net NetC10_2: 3358.86,1515 3363.86,1515 3558.86,1320 3558.86,1225 3583.86,1200 3703.86,1200 3728.86,1225 3728.86,1465 3673.86,1520 3623.86,1520 3608.85,1535.01 3608.85,1554.99 3618.86,1565 3683.86,1565 3703.86,1585 3703.86,1710 3608.86,1805 3608.86,2310 3363.86,2310 3363.86,1815 3358.86,1810
  region net SNSP: 3113.86,1655 3113.86,1495 3053.86,1435 3053.86,1220 3113.86,1160 3423.86,1160 3453.86,1190 3453.86,1385 3323.86,1515 3253.86,1515 3243.86,1525 3243.86,1550 3253.86,1560 3328.86,1560 3338.86,1570 3338.86,1710 3328.86,1720 3213.86,1720 3198.86,1705 3198.86,1685 3183.86,1670 3128.86,1670
  region net SWI: 2763.86,1665 2763.86,1245 2803.86,1205 3003.86,1205 3023.86,1225 3023.86,1435 3093.86,1505 3093.86,2300 2848.86,2300 2848.86,1680 2833.86,1665
  region net NetC1_2: 2750,1755 2445,1755 2406.14,1716.14 2406.14,535 2575,535 2575,365 2585,355 2700,355 2815,470 2815,635 2890,710 2920,710 2930,720 2930,1160 2900,1190 2800,1190 2750,1240
  region net VCC_PORT1: 1770,1745 1805,1780 1805,1925 1865,1985 2155,1985 2185,1955 2185,1200 2135,1150 2135,605 2215,525 2385,525 2385,370 2350,335 2090,335 1970,455 1970,1515 1900,1585 1770,1585
  region net VCC_PORT2: 1785,760 1760,735 1700,735 1685,720 1685,530 1715,500 1795,500 1820,475 1820,180 1975,25 4635,25 4955,345 4955,490 4940,505 4810,505 4775,470 4775,365 4580,170 2225,170 1955,440 1955,930 1925,960 1810,960 1785,935
  region net NetC52_2: 120,495 230,605 425,605 735,915 925,915 970,870 1250,870 1275,845 1275,590 1235,550 985,550 880,445 730,445 440,155 230,155 120,265
  text "Layer 1" at 8685.1,124.99 h60
Layer 2:
  region net USB_VCC: 185,3800 195,3800 205,3810 285,3810 290,3805 290,3780 285,3775 205,3775 195,3785 185,3785
  region net VCC_5V0: 670,2960 745,2885 830,2885 910,2965 910,3090 835,3165 750,3165 670,3085
  region net USB_VCC: 1395,1957.5 1360,1992.5 1360,2245 1281.07,2323.93 817.98,2327.02 570,2575 570,3455 527.5,3497.5 342.5,3497.5 210,3630 210,3675 230,3695 275,3695 395,3575 600,3575 660,3515 660,2645 862.5,2442.5 1355,2442.5 1495,2322.5 1495,2007.5 1445,1957.5
  region net VCC_PORT2: 1951.67,875 1981.67,905 1980,2010 2020,2050 2020,2150 2000,2170 1750,2170 1735,2155 1735,2065 1786.67,2013.33 1786.67,893.33 1805,875
  text "Layer 2" at 8685.1,214.99 h60
Bottom Layer:
  region net NetC74_2: 4455,235 4660,30 6835,30 7290,485 7400,595 7400,745 7350,795 7135,795 7095,755 7095,480 6780,165 4860,165 4655,370 4655,435 4640,450 4470,450 4455,435
  text "Bottom Layer" at 8690.1,309.99 h60

## Silkscreen, mask and mechanical layers (free items; w line width, h text height)
Top Overlay:
  text "TRST" at 2447.65,4335 h50 r90
  text "RESET" at 2552.65,4335 h50 r90
  text "JDTI" at 2250,4330 h50 r90
  text "JDTO" at 2347.65,4330 h50 r90
  text "3V3" at 2250,3945 h50 r90
  text "GND" at 2350,3945 h50 r90
  text "JTMS" at 2450,3905 h50 r90
  text "JTCK" at 2555,3900 h50 r90
  text "D" at 2825,3685 h50
  text "C" at 2825,3600 h50
  text "B" at 2825,3525 h50
  text "A" at 2825,3445 h50
  text "LED" at 8210,3170 h50
  text "5V0" at 7835,3165 h50
  text "5V0" at 1877.71,3129.32 h50
  text "DAC A" at 8210,3070 h50
  text "GND" at 7830,3065 h50
  text "3V3" at 7830,2965 h50
  text "DAC C" at 8210,2965 h50
  text "GND" at 7830,2865 h50
  text "3V3" at 2060,2485 h50 r90
  text "+" at 8140,1148.34 h100
  text "-" at 8224.98,940 h100 r90
Bottom Overlay:
  text "Universal Converter" at 8105,4190 h70
  text "Capstone 2021" at 8100,4043.33 h70
  text "Rev 1" at 8099.33,3903.61 h70
  text "Soohan Kim    Nick Hulsey    Jacob Landgrebe    David Boullie    Anthony Cherubino" at 7880,53.33 h70
Mechanical 1:
  the board outline again, w5